# KiCad board SmartCubePanel.kicad_pcb (continued)
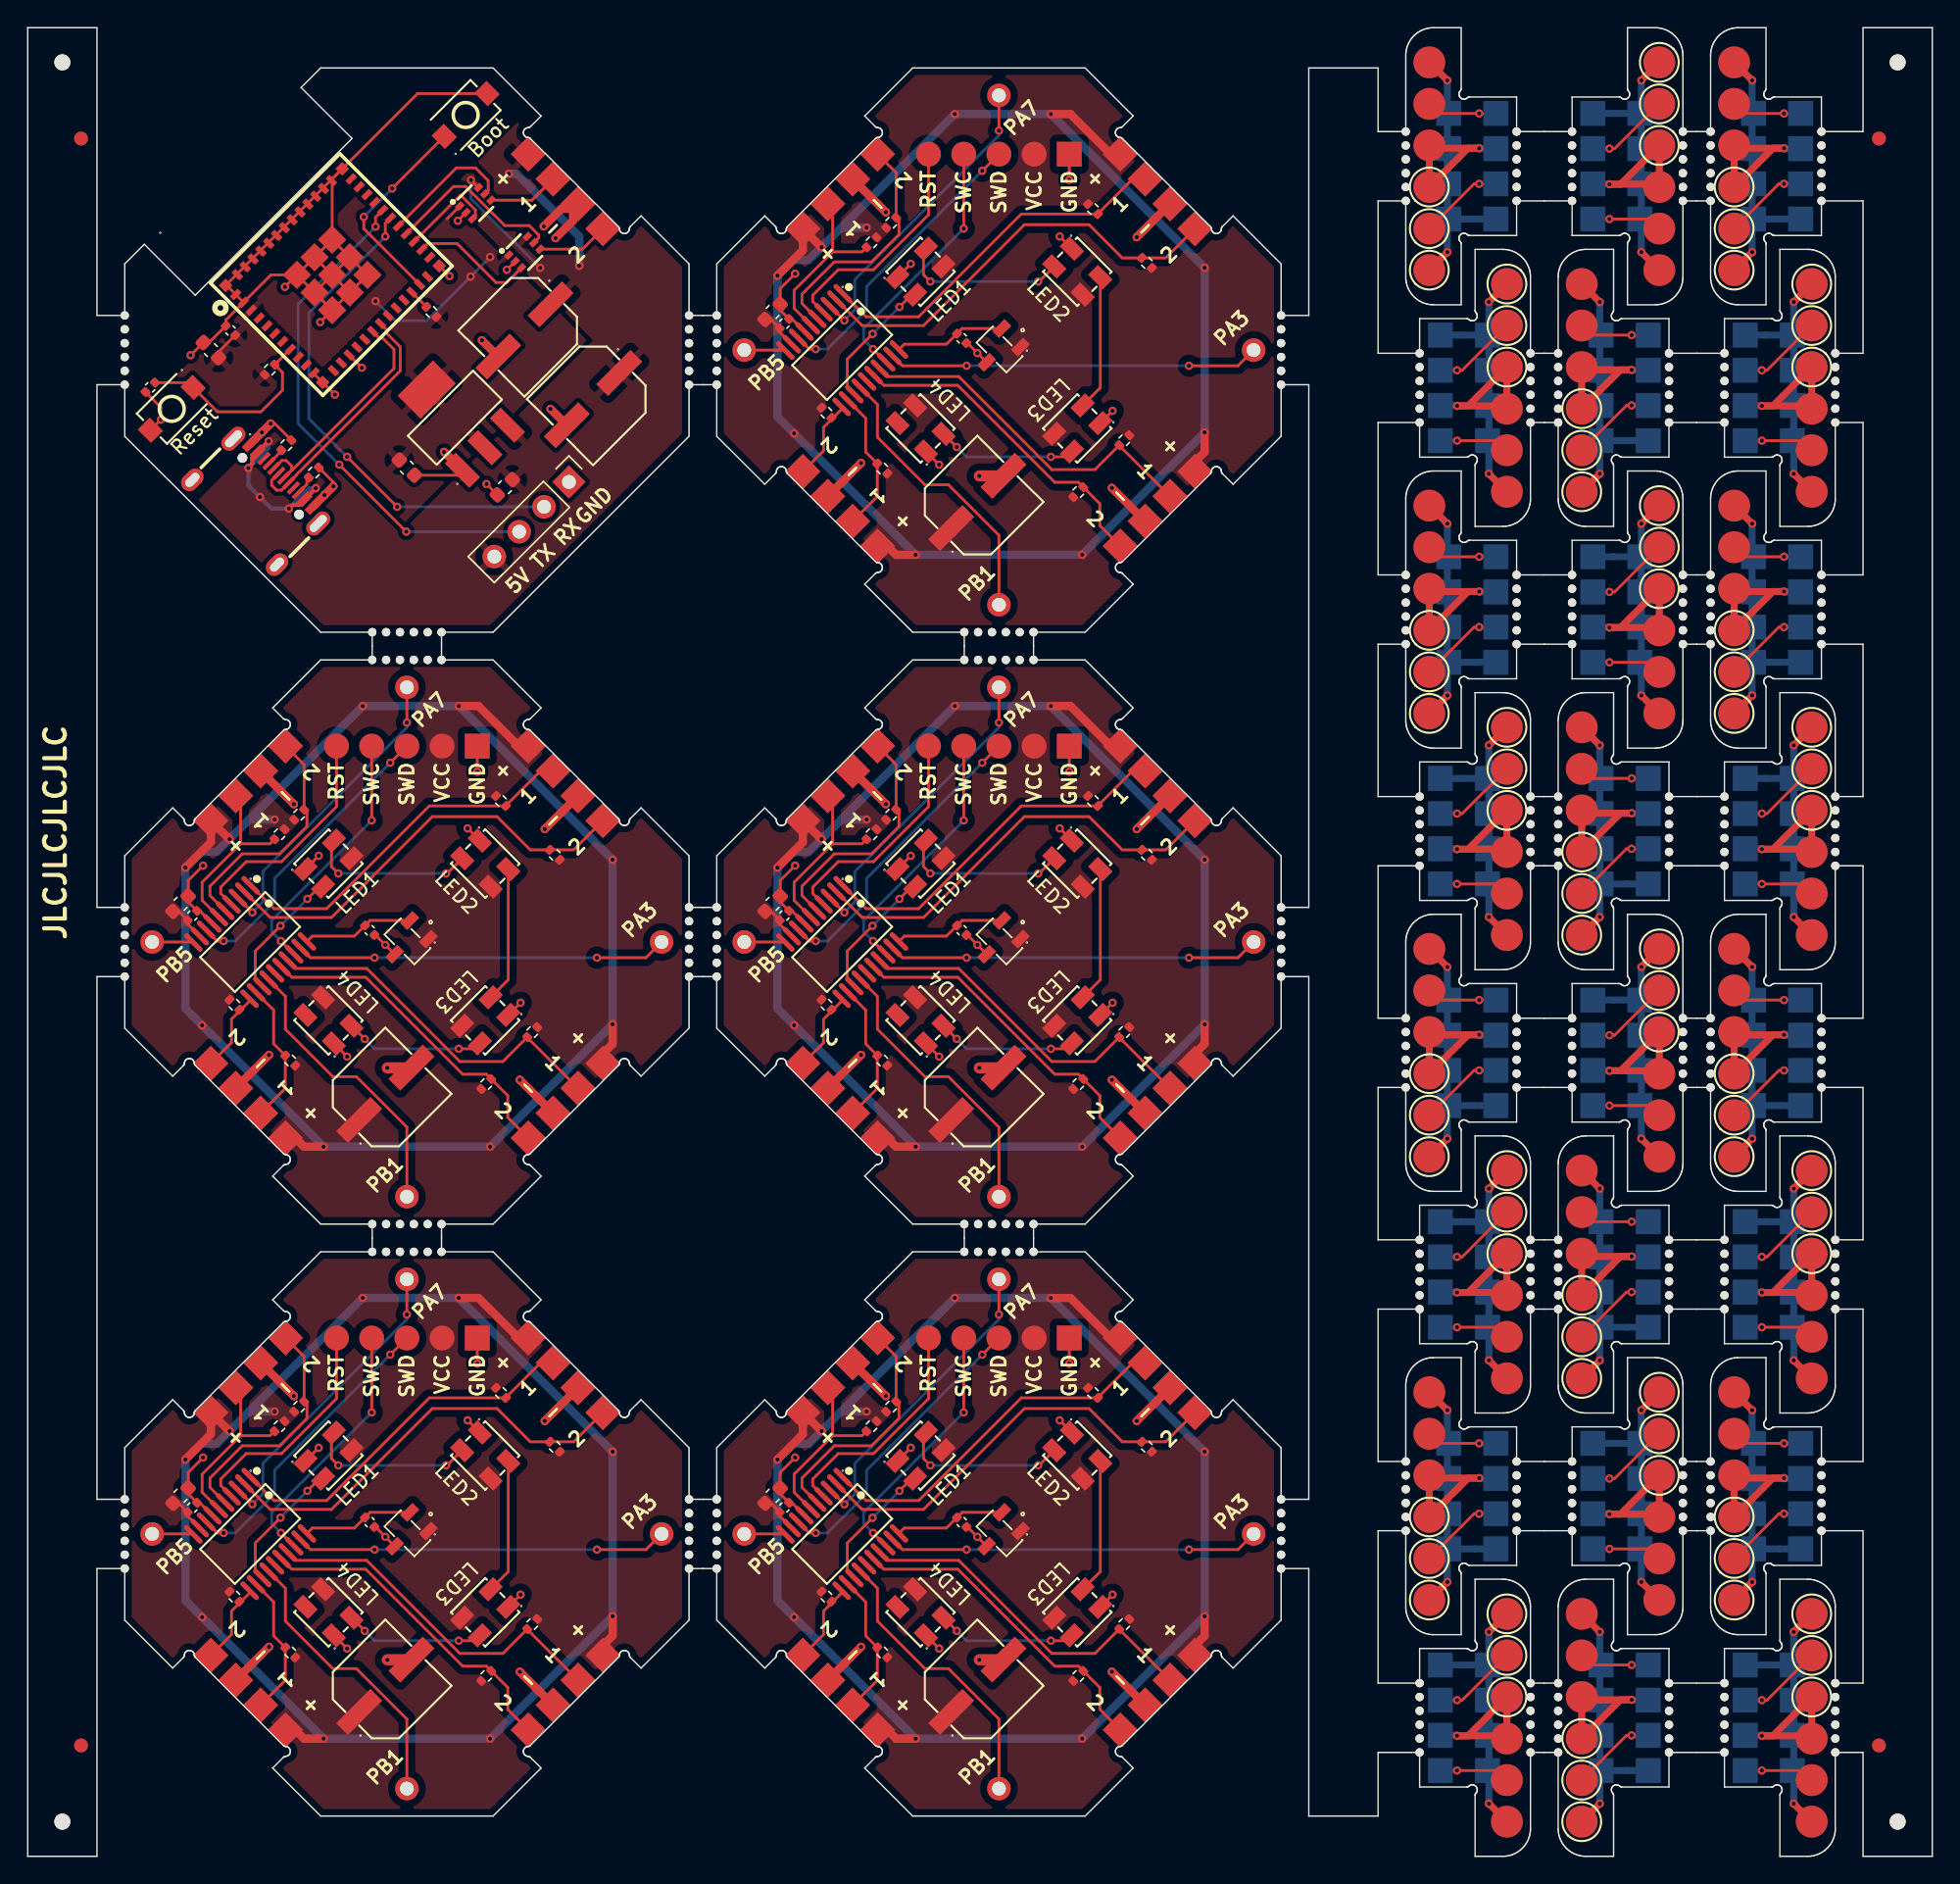
[diagram p0: board, top side]
## Routing (per net, layer and track width the routed paths; a pad name or vN(x,y) marks a point on that pad's centre or on a via; arc(x,y) is an arc through that point) (continued)
Board_3-/DataBottom1: length 26.2
  Top w0.2: M_3_PinHeaderBottom1.2 78.79,101.83 M_3_R6.2 77.02,100.1 73.91,100.1 67.2,106.82 62.07,106.82 M_3_U1.17
Board_3-/DataBottom2: length 23.9
  Top w0.2: M_3_PinHeaderBottom1.4 77.38,96.06 77.38,97.64 M_3_R5.2 75.84,99.18 74.13,99.18 67.12,106.18 61.79,106.18 M_3_U1.16
Board_3-/DataLeft1: length 10.3
  Top w0.2: M_3_U1.12 60.48,103.81 60.48,101.38 M_3_R8.2 61.32,98.16 M_3_PinHeaderLeft1.2
Board_3-/DataLeft2: length 5.8
  Top w0.2: M_3_PinHeaderLeft1.4 57.44,101.46 57.44,103.16 58.74,104.46 M_3_U1.11
Board_3-/DataRight1: length 26.7
  Top w0.2: M_3_PinHeaderRight1.2 79.75,121.08 77.22,118.55 71.71,118.55 64.3,111.13 60.51,111.13 M_3_U1.1
Board_3-/DataRight2: length 31.5
  Top w0.2: M_3_PinHeaderRight1.4 82.14,115.38 79,115.38 76.6,117.78 71.93,117.78 64.65,110.5 60.23,110.5 M_3_U1.2
Board_3-/DataTop1: length 13.1
  Top w0.2: M_3_R2.2 60.22,115.82 58.1,115.82 ; M_3_U1.6 55.32,111.73 55.32,113.04 58.1,115.82 ; M_3_PinHeaderTop1.2 58.1,118.93 58.1,115.82
Board_3-/DataTop2: length 17.5
  Top w0.2: M_3_U1.5 55.88,112.09 55.88,112.76 58.22,115.09 60.9,115.09 62.88,117.07 62.88,118.08 M_3_R1.2 62.68,121.53 M_3_PinHeaderTop1.4
Board_3-/HallAdc: length 8.1
  Top w0.2: M_3_U6.3 67.44,110.28 M_3_C3.2 66.3,109.15 63.27,109.15 M_3_U1.20
Board_3-/LedIn: length 9.6
  Top w0.2: v1(60.97,109.9) 59.15,108.08 59.15,106.06 M_3_U1.13 ; M_3_LED1.2 63.8,112.72 v1(62.92,111.84)
  Bottom w0.2: v1(62.92,111.84) v1(60.97,109.9)
Board_3-/Reset: length 16.7
  Top w0.2: M_3_U1.4 56.66,112.23 56.66,112.69 58.5,114.53 61.04,114.53 65.01,118.5 M_3_J1.5
Board_3-/ShieldBottomLeft: length 20.8
  Top w0.2: M_3_J3.1 70.09,95.36 66.45,99.01 64.76,99.01 61.33,102.44 61.33,104.8 M_3_U1.14
Board_3-/ShieldBottomRight: length 26.8
  Top w0.2: v1(83.81,107.6) 87.35,107.6 M_3_J5.1 ; M_3_U1.19 63.13,107.6 v1(67.76,107.6)
  Bottom w0.2: v1(83.81,107.6) v1(67.76,107.6)
Board_3-/ShieldTopLeft: length 3
  Top w0.2: M_3_U1.10 54.64,108.73 M_3_J2.1
Board_3-/ShieldTopRight: length 22.3
  Top w0.2: v1(70.09,124.57) M_3_J4.1 ; v1(58.94,110.87) M_3_U1.3
  Bottom w0.2: v1(58.94,110.87) 59.7,111.63 59.7,113.82 70.09,124.21 v1(70.09,124.57)
Board_3-/SWC: length 18.7
  Top w0.2: v1(61.01,108.8) M_3_U1.18 ; v1(67.55,117.5) M_3_J1.4
  Bottom w0.2: v1(61.01,108.8) 60.34,109.47 60.34,110.28 v1(67.55,117.5)
Board_3-/SWD: length 21.7
  Top w0.2: v1(68.89,121.67) M_3_J1.3 ; v1(56.87,108.8) 56.41,108.8 M_3_U1.8
  Bottom w0.2: v1(56.87,108.8) 57.72,108.8 60.55,111.63 60.55,113.33 v1(68.89,121.67)
Board_3-GND: length 29.9
  Top w0.2: M_3_U1.7 55.15,110.98 M_3_C2.1 54.31,111.62 M_3_C1.1 54.31,113.17 v1(55.39,114.24) ; M_3_LED2.1 v1(74.48,116.93) ; M_3_C3.1 67.82,109.24 v1(68.54,108.52) M_3_U6.2 ; v1(63.73,114.95) M_3_LED1.1 ; v1(75.17,121.02) M_3_J1.1 ; M_3_LED3.1 v1(78.3,104.34) ; M_3_LED4.1 v1(65.78,100.46)
  Top w0.6: M_3_PinHeaderTop1.3 61.93,118.69 v1(61.93,118.68) ; v1(78.25,98.78) M_3_PinHeaderBottom1.3 ; v1(60.15,100.58) M_3_PinHeaderLeft1.3 ; v1(80.04,116.88) M_3_PinHeaderRight1.3
  Top w0.8: M_3_C4.2 70.41,99.64 v1(68.68,99.64)
Board_3-Net-(LED1-DOUT): length 12
  Top w0.2: v1(72.92,113.68) 72.99,113.68 M_3_LED2.2 ; v1(65.14,113.68) 64.65,114.17 64.65,115.87 M_3_LED1.4
  Bottom w0.2: v1(72.92,113.68) v1(65.14,113.68)
Board_3-Net-(LED2-DOUT): length 9.8
  Top w0.2: M_3_LED2.4 77.41,106.01 M_3_LED3.2
Board_3-Net-(LED3-DOUT): length 10.1
  Top w0.2: v1(67.05,101.73) M_3_LED4.2 ; v1(73.84,101.02) 74.97,101.02 M_3_LED3.4
  Bottom w0.2: v1(67.05,101.73) 67.76,101.02 v1(73.84,101.02)
Board_4-+5V: length 123.4
  Top w0.2: M_4_C1.2 53.63,68.21 M_4_C2.2 54.27,67.29 M_4_U1.9
  Top w0.6: v1(84.94,60.06) 84.94,58.65 83.89,57.59 ; 78.5,79.8 75.26,83.03 v1(73.84,83.03) ; v1(54.11,71.37) 55.95,73.21 M_4_PinHeaderTop1.1 57.28,73.42 v1(57.3,73.42) ; 61.69,52.2 62.67,51.22 v1(64.08,51.22)
  Bottom w0.6: 58.71,74.84 v1(57.3,73.42) 56.38,72.51 55.25,72.51 v1(54.11,71.37) 54.11,61.19 v1(55.32,59.99) v1(64.08,51.22) v1(76.11,51.22) v1(84.94,60.06) v1(84.94,71.94) 84.94,71.94 v1(73.84,83.03) v1(66.91,83.03) 66.91,83.03 58.71,74.84 ; 58.71,74.84 v1(60.55,74.84)
Board_4-/DataBottom1: length 26.2
  Top w0.2: M_4_U1.17 62.07,64.09 67.2,64.09 73.91,57.37 77.02,57.37 M_4_R6.2 78.79,59.11 M_4_PinHeaderBottom1.2
Board_4-/DataBottom2: length 23.9
  Top w0.2: M_4_U1.16 61.79,63.45 67.12,63.45 74.13,56.45 75.84,56.45 M_4_R5.2 77.38,54.91 77.38,53.33 M_4_PinHeaderBottom1.4
Board_4-/DataLeft1: length 10.3
  Top w0.2: M_4_PinHeaderLeft1.2 61.32,55.43 M_4_R8.2 60.48,58.65 60.48,61.09 M_4_U1.12
Board_4-/DataLeft2: length 5.8
  Top w0.2: M_4_PinHeaderLeft1.4 57.44,58.73 57.44,60.43 58.74,61.73 M_4_U1.11
Board_4-/DataRight1: length 26.7
  Top w0.2: M_4_U1.1 60.51,68.4 64.3,68.4 71.71,75.82 77.22,75.82 79.75,78.35 M_4_PinHeaderRight1.2
Board_4-/DataRight2: length 31.5
  Top w0.2: M_4_U1.2 60.23,67.77 64.65,67.77 71.93,75.05 76.6,75.05 79,72.65 82.14,72.65 M_4_PinHeaderRight1.4
Board_4-/DataTop1: length 13.1
  Top w0.2: M_4_R2.2 60.22,73.09 58.1,73.09 ; 58.1,73.09 55.32,70.31 55.32,69.01 M_4_U1.6 ; 58.1,73.09 58.1,76.2 M_4_PinHeaderTop1.2
Board_4-/DataTop2: length 17.5
  Top w0.2: M_4_PinHeaderTop1.4 62.68,78.81 M_4_R1.2 62.88,75.35 62.88,74.34 60.9,72.36 58.22,72.36 55.88,70.03 55.88,69.36 M_4_U1.5
Board_4-/HallAdc: length 8.1
  Top w0.2: M_4_U6.3 67.44,67.56 M_4_C3.2 66.3,66.42 63.27,66.42 M_4_U1.20
Board_4-/LedIn: length 9.6
  Top w0.2: v1(62.92,69.11) 63.8,70 M_4_LED1.2 ; v1(60.97,67.17) 59.15,65.35 59.15,63.33 M_4_U1.13
  Bottom w0.2: v1(62.92,69.11) v1(60.97,67.17)
Board_4-/Reset: length 16.7
  Top w0.2: M_4_J1.5 65.01,75.77 61.04,71.8 58.5,71.8 56.66,69.96 56.66,69.5 M_4_U1.4
Board_4-/ShieldBottomLeft: length 20.8
  Top w0.2: M_4_J3.1 70.09,52.64 66.45,56.28 64.76,56.28 61.33,59.71 61.33,62.08 M_4_U1.14
Board_4-/ShieldBottomRight: length 26.8
  Top w0.2: v1(83.81,64.87) 87.35,64.87 M_4_J5.1 ; v1(67.76,64.87) 63.13,64.87 M_4_U1.19
  Bottom w0.2: v1(83.81,64.87) v1(67.76,64.87)
Board_4-/ShieldTopLeft: length 3
  Top w0.2: M_4_U1.10 54.64,66 M_4_J2.1
Board_4-/ShieldTopRight: length 22.3
  Top w0.2: v1(58.94,68.14) M_4_U1.3 ; v1(70.09,81.84) M_4_J4.1
  Bottom w0.2: v1(70.09,81.84) 70.09,81.49 59.7,71.09 59.7,68.9 v1(58.94,68.14)
Board_4-/SWC: length 18.7
  Top w0.2: v1(61.01,66.07) M_4_U1.18 ; v1(67.55,74.77) M_4_J1.4
  Bottom w0.2: v1(67.55,74.77) 60.34,67.56 60.34,66.74 v1(61.01,66.07)
Board_4-/SWD: length 21.7
  Top w0.2: M_4_U1.8 56.41,66.07 v1(56.87,66.07) ; v1(68.89,78.94) M_4_J1.3
  Bottom w0.2: v1(56.87,66.07) 57.72,66.07 60.55,68.9 60.55,70.6 v1(68.89,78.94)
Board_4-GND: length 29.9
  Top w0.2: M_4_C3.1 67.82,66.51 v1(68.54,65.79) M_4_U6.2 ; v1(75.17,78.29) M_4_J1.1 ; v1(55.39,71.52) 54.31,70.44 M_4_C1.1 54.31,68.89 M_4_C2.1 55.15,68.25 M_4_U1.7 ; v1(63.73,72.22) M_4_LED1.1 ; M_4_LED2.1 v1(74.48,74.2) ; M_4_LED3.1 v1(78.3,61.62) ; M_4_LED4.1 v1(65.78,57.73)
  Top w0.6: M_4_PinHeaderTop1.3 61.93,75.96 v1(61.93,75.96) ; v1(60.15,57.85) M_4_PinHeaderLeft1.3 ; v1(80.04,74.15) M_4_PinHeaderRight1.3 ; v1(78.25,56.05) M_4_PinHeaderBottom1.3
  Top w0.8: M_4_C4.2 70.41,56.91 v1(68.68,56.91)
Board_4-Net-(LED1-DOUT): length 12
  Top w0.2: v1(65.14,70.95) 64.65,71.44 64.65,73.14 M_4_LED1.4 ; M_4_LED2.2 72.99,70.95 v1(72.92,70.95)
  Bottom w0.2: v1(72.92,70.95) v1(65.14,70.95)
Board_4-Net-(LED2-DOUT): length 9.8
  Top w0.2: M_4_LED3.2 77.41,63.28 M_4_LED2.4
Board_4-Net-(LED3-DOUT): length 10.1
  Top w0.2: v1(67.05,59) M_4_LED4.2 ; v1(73.84,58.29) 74.97,58.29 M_4_LED3.4
  Bottom w0.2: v1(67.05,59) 67.76,58.29 v1(73.84,58.29)
Board_5-+5V: length 123.4
  Top w0.2: M_5_U1.9 54.27,24.56 M_5_C2.2 53.63,25.48 M_5_C1.2
  Top w0.6: v1(64.08,8.49) 62.67,8.49 61.69,9.48 ; 78.5,37.07 75.26,40.31 v1(73.84,40.31) ; v1(54.11,28.65) 55.95,30.48 M_5_PinHeaderTop1.1 57.28,30.7 v1(57.3,30.7) ; 83.89,14.86 84.94,15.92 v1(84.94,17.33)
  Bottom w0.6: 58.71,32.11 v1(60.55,32.11) ; 58.71,32.11 v1(57.3,30.7) 56.38,29.78 55.25,29.78 v1(54.11,28.65) 54.11,18.46 v1(55.32,17.26) v1(64.08,8.49) v1(76.11,8.49) v1(84.94,17.33) v1(84.94,29.21) 84.94,29.21 v1(73.84,40.31) v1(66.91,40.31) 66.91,40.31 58.71,32.11
Board_5-/DataBottom1: length 26.2
  Top w0.2: M_5_U1.17 62.07,21.36 67.2,21.36 73.91,14.64 77.02,14.64 M_5_R6.2 78.79,16.38 M_5_PinHeaderBottom1.2
Board_5-/DataBottom2: length 23.9
  Top w0.2: M_5_U1.16 61.79,20.73 67.12,20.73 74.13,13.73 75.84,13.73 M_5_R5.2 77.38,12.18 77.38,10.6 M_5_PinHeaderBottom1.4
Board_5-/DataLeft1: length 10.3
  Top w0.2: M_5_U1.12 60.48,18.36 60.48,15.92 M_5_R8.2 61.32,12.7 M_5_PinHeaderLeft1.2
Board_5-/DataLeft2: length 5.8
  Top w0.2: M_5_U1.11 58.74,19 57.44,17.7 57.44,16 M_5_PinHeaderLeft1.4
Board_5-/DataRight1: length 26.7
  Top w0.2: M_5_U1.1 60.51,25.68 64.3,25.68 71.71,33.09 77.22,33.09 79.75,35.62 M_5_PinHeaderRight1.2
Board_5-/DataRight2: length 31.5
  Top w0.2: M_5_PinHeaderRight1.4 82.14,29.92 79,29.92 76.6,32.32 71.93,32.32 64.65,25.04 60.23,25.04 M_5_U1.2
Board_5-/DataTop1: length 13.1
  Top w0.2: M_5_PinHeaderTop1.2 58.1,33.47 58.1,30.36 ; 58.1,30.36 55.32,27.58 55.32,26.28 M_5_U1.6 ; 58.1,30.36 60.22,30.36 M_5_R2.2
Board_5-/DataTop2: length 17.5
  Top w0.2: M_5_PinHeaderTop1.4 62.68,36.08 M_5_R1.2 62.88,32.62 62.88,31.61 60.9,29.63 58.22,29.63 55.88,27.3 55.88,26.63 M_5_U1.5
Board_5-/HallAdc: length 8.1
  Top w0.2: M_5_U6.3 67.44,24.83 M_5_C3.2 66.3,23.7 63.27,23.7 M_5_U1.20
Board_5-/LedIn: length 9.6
  Top w0.2: M_5_LED1.2 63.8,27.27 v1(62.92,26.38) ; M_5_U1.13 59.15,20.6 59.15,22.62 v1(60.97,24.44)
  Bottom w0.2: v1(62.92,26.38) v1(60.97,24.44)
Board_5-/Reset: length 16.7
  Top w0.2: M_5_J1.5 65.01,33.04 61.04,29.07 58.5,29.07 56.66,27.23 56.66,26.77 M_5_U1.4
Board_5-/ShieldBottomLeft: length 20.8
  Top w0.2: M_5_J3.1 70.09,9.91 66.45,13.55 64.76,13.55 61.33,16.98 61.33,19.35 M_5_U1.14
Board_5-/ShieldBottomRight: length 26.8
  Top w0.2: M_5_U1.19 63.13,22.14 v1(67.76,22.14) ; M_5_J5.1 87.35,22.14 v1(83.81,22.14)
  Bottom w0.2: v1(83.81,22.14) v1(67.76,22.14)
Board_5-/ShieldTopLeft: length 3
  Top w0.2: M_5_U1.10 54.64,23.27 M_5_J2.1
Board_5-/ShieldTopRight: length 22.3
  Top w0.2: v1(58.94,25.41) M_5_U1.3 ; v1(70.09,39.11) M_5_J4.1
  Bottom w0.2: v1(70.09,39.11) 70.09,38.76 59.7,28.36 59.7,26.17 v1(58.94,25.41)
Board_5-/SWC: length 18.7
  Top w0.2: v1(61.01,23.34) M_5_U1.18 ; v1(67.55,32.04) M_5_J1.4
  Bottom w0.2: v1(61.01,23.34) 60.34,24.01 60.34,24.83 v1(67.55,32.04)
Board_5-/SWD: length 21.7
  Top w0.2: M_5_U1.8 56.41,23.34 v1(56.87,23.34) ; v1(68.89,36.21) M_5_J1.3
  Bottom w0.2: v1(68.89,36.21) 60.55,27.87 60.55,26.17 57.72,23.34 v1(56.87,23.34)
Board_5-GND: length 29.9
  Top w0.2: v1(75.17,35.56) M_5_J1.1 ; M_5_LED4.1 v1(65.78,15) ; v1(63.73,29.49) M_5_LED1.1 ; M_5_U1.7 55.15,25.52 M_5_C2.1 54.31,26.16 M_5_C1.1 54.31,27.71 v1(55.39,28.79) ; M_5_LED3.1 v1(78.3,18.89) ; M_5_U6.2 v1(68.54,23.06) 67.82,23.78 M_5_C3.1 ; M_5_LED2.1 v1(74.48,31.47)
  Top w0.6: v1(60.15,15.12) M_5_PinHeaderLeft1.3 ; M_5_PinHeaderTop1.3 61.93,33.23 v1(61.93,33.23) ; v1(80.04,31.42) M_5_PinHeaderRight1.3 ; v1(78.25,13.32) M_5_PinHeaderBottom1.3
  Top w0.8: v1(68.68,14.18) 70.41,14.18 M_5_C4.2
Board_5-Net-(LED1-DOUT): length 12
  Top w0.2: M_5_LED1.4 64.65,30.41 64.65,28.72 v1(65.14,28.22) ; M_5_LED2.2 72.99,28.22 v1(72.92,28.22)
  Bottom w0.2: v1(72.92,28.22) v1(65.14,28.22)
Board_5-Net-(LED2-DOUT): length 9.8
  Top w0.2: M_5_LED3.2 77.41,20.55 M_5_LED2.4
Board_5-Net-(LED3-DOUT): length 10.1
  Top w0.2: M_5_LED3.4 74.97,15.56 v1(73.84,15.56) ; v1(67.05,16.27) M_5_LED4.2
  Bottom w0.2: v1(73.84,15.56) 67.76,15.56 v1(67.05,16.27)
Board_6-+5V: length 19.4
  Top w0.5: v1(102.46,128.2) POGO_6_J4.1 ; v1(102.46,115.8) POGO_6_U1.1
  Bottom w0.5: 103.25,118.19 POGO_6_J2.1 ; 103.25,118.19 102.46,118.98 v1(102.46,128.2) ; 103.25,118.19 102.46,117.4 v1(102.46,115.8)
Board_6-/Data1: length 6.1
  Top w0.2: POGO_6_U2.1 104.39,120.73 v1(104.76,120.73)
  Bottom w0.2: POGO_6_J2.2 v1(104.76,120.73)
Board_6-/Data2: length 5.1
  Top w0.2: v1(104.76,125.81) 101.85,125.81 POGO_6_J3.1
  Bottom w0.2: POGO_6_J2.4 v1(104.76,125.81)
Board_6-GND: length 12.7
  Top w0.5: 103.96,123.3 v1(104.76,123.3) 101.36,123.3 POGO_6_J1.1 POGO_6_U3.1 103.96,123.3
  Bottom w0.5: POGO_6_J2.3 104.79,123.27 v1(104.76,123.3)
Board_7-+5V: length 19.4
  Top w0.5: v1(105.46,112.2) POGO_7_U1.1 ; v1(105.46,99.8) POGO_7_J4.1
  Bottom w0.5: 104.67,109.81 POGO_7_J2.1 ; 104.67,109.81 105.46,109.02 v1(105.46,99.8) ; 104.67,109.81 105.46,110.6 v1(105.46,112.2)
Board_7-/Data1: length 6.1
  Top w0.2: v1(103.16,107.27) 103.53,107.27 POGO_7_U2.1
  Bottom w0.2: POGO_7_J2.2 v1(103.16,107.27)
Board_7-/Data2: length 5.1
  Top w0.2: v1(103.16,102.19) 106.07,102.19 POGO_7_J3.1
  Bottom w0.2: POGO_7_J2.4 v1(103.16,102.19)
Board_7-GND: length 12.7
  Top w0.5: POGO_7_U3.1 103.96,104.7 v1(103.16,104.7) 106.56,104.7 POGO_7_J1.1 POGO_7_U3.1
  Bottom w0.5: v1(103.16,104.7) 103.13,104.73 POGO_7_J2.3
Board_8-+5V: length 19.4
  Top w0.5: v1(102.46,83.8) POGO_8_U1.1 ; v1(102.46,96.2) POGO_8_J4.1
  Bottom w0.5: v1(102.46,83.8) 102.46,85.4 103.25,86.19 ; 103.25,86.19 POGO_8_J2.1 ; 103.25,86.19 102.46,86.98 v1(102.46,96.2)
Board_8-/Data1: length 6.1
  Top w0.2: v1(104.76,88.73) 104.39,88.73 POGO_8_U2.1
  Bottom w0.2: POGO_8_J2.2 v1(104.76,88.73)
Board_8-/Data2: length 5.1
  Top w0.2: v1(104.76,93.81) 101.85,93.81 POGO_8_J3.1
  Bottom w0.2: POGO_8_J2.4 v1(104.76,93.81)
Board_8-GND: length 12.7
  Top w0.5: 101.36,91.3 POGO_8_J1.1 POGO_8_U3.1 103.96,91.3 v1(104.76,91.3) 101.36,91.3
  Bottom w0.5: POGO_8_J2.3 104.79,91.27 v1(104.76,91.3)
Board_9-+5V: length 19.4
  Top w0.5: v1(105.46,80.2) POGO_9_U1.1 ; v1(105.46,67.8) POGO_9_J4.1
  Bottom w0.5: 104.67,77.81 POGO_9_J2.1 ; 104.67,77.81 105.46,77.02 v1(105.46,67.8) ; 104.67,77.81 105.46,78.6 v1(105.46,80.2)
Board_9-/Data1: length 6.1
  Top w0.2: v1(103.16,75.27) 103.53,75.27 POGO_9_U2.1
  Bottom w0.2: POGO_9_J2.2 v1(103.16,75.27)
Board_9-/Data2: length 5.1
  Top w0.2: POGO_9_J3.1 106.07,70.19 v1(103.16,70.19)
  Bottom w0.2: POGO_9_J2.4 v1(103.16,70.19)
Board_9-GND: length 12.7
  Top w0.5: v1(103.16,72.7) 106.56,72.7 POGO_9_J1.1 POGO_9_U3.1 103.96,72.7 v1(103.16,72.7)
  Bottom w0.5: POGO_9_J2.3 103.13,72.73 v1(103.16,72.7)
Board_10-+5V: length 19.4
  Top w0.5: v1(102.46,64.2) POGO_10_J4.1 ; v1(102.46,51.8) POGO_10_U1.1
  Bottom w0.5: 103.25,54.19 POGO_10_J2.1 ; 103.25,54.19 102.46,53.4 v1(102.46,51.8) ; 103.25,54.19 102.46,54.98 v1(102.46,64.2)
Board_10-/Data1: length 6.1
  Top w0.2: POGO_10_U2.1 104.39,56.73 v1(104.76,56.73)
  Bottom w0.2: POGO_10_J2.2 v1(104.76,56.73)
Board_10-/Data2: length 5.1
  Top w0.2: POGO_10_J3.1 101.85,61.81 v1(104.76,61.81)
  Bottom w0.2: POGO_10_J2.4 v1(104.76,61.81)
Board_10-GND: length 12.7
  Top w0.5: POGO_10_U3.1 103.96,59.3 v1(104.76,59.3) 101.36,59.3 POGO_10_J1.1 POGO_10_U3.1
  Bottom w0.5: v1(104.76,59.3) 104.79,59.27 POGO_10_J2.3
Board_11-+5V: length 19.4
  Top w0.5: v1(105.46,48.2) POGO_11_U1.1 ; v1(105.46,35.8) POGO_11_J4.1
  Bottom w0.5: 104.67,45.81 105.46,46.6 v1(105.46,48.2) ; 104.67,45.81 POGO_11_J2.1 ; 104.67,45.81 105.46,45.02 v1(105.46,35.8)
Board_11-/Data1: length 6.1
  Top w0.2: v1(103.16,43.27) 103.53,43.27 POGO_11_U2.1
  Bottom w0.2: POGO_11_J2.2 v1(103.16,43.27)
Board_11-/Data2: length 5.1
  Top w0.2: v1(103.16,38.19) 106.07,38.19 POGO_11_J3.1
  Bottom w0.2: POGO_11_J2.4 v1(103.16,38.19)
Board_11-GND: length 12.7
  Top w0.5: POGO_11_U3.1 103.96,40.7 v1(103.16,40.7) 106.56,40.7 POGO_11_J1.1 POGO_11_U3.1
  Bottom w0.5: v1(103.16,40.7) 103.13,40.73 POGO_11_J2.3
Board_12-+5V: length 19.4
  Top w0.5: v1(102.46,32.2) POGO_12_J4.1 ; v1(102.46,19.8) POGO_12_U1.1
  Bottom w0.5: POGO_12_J2.1 103.25,22.19 ; 103.25,22.19 102.46,22.98 v1(102.46,32.2) ; 103.25,22.19 102.46,21.4 v1(102.46,19.8)
Board_12-/Data1: length 6.1
  Top w0.2: v1(104.76,24.73) 104.39,24.73 POGO_12_U2.1
  Bottom w0.2: POGO_12_J2.2 v1(104.76,24.73)
Board_12-/Data2: length 5.1
  Top w0.2: POGO_12_J3.1 101.85,29.81 v1(104.76,29.81)
  Bottom w0.2: POGO_12_J2.4 v1(104.76,29.81)
Board_12-GND: length 12.7
  Top w0.5: 101.36,27.3 POGO_12_J1.1 POGO_12_U3.1 103.96,27.3 v1(104.76,27.3) 101.36,27.3
  Bottom w0.5: POGO_12_J2.3 104.79,27.27 v1(104.76,27.3)
Board_13-+5V: length 19.4
  Top w0.5: v1(105.46,3.8) POGO_13_J4.1 ; v1(105.46,16.2) POGO_13_U1.1
  Bottom w0.5: 104.67,13.81 POGO_13_J2.1 ; 104.67,13.81 105.46,14.6 v1(105.46,16.2) ; 104.67,13.81 105.46,13.02 v1(105.46,3.8)
Board_13-/Data1: length 6.1
  Top w0.2: POGO_13_U2.1 103.53,11.27 v1(103.16,11.27)
  Bottom w0.2: POGO_13_J2.2 v1(103.16,11.27)
Board_13-/Data2: length 5.1
  Top w0.2: POGO_13_J3.1 106.07,6.19 v1(103.16,6.19)
  Bottom w0.2: POGO_13_J2.4 v1(103.16,6.19)
Board_13-GND: length 12.7
  Top w0.5: POGO_13_U3.1 103.96,8.7 v1(103.16,8.7) 106.56,8.7 POGO_13_J1.1 POGO_13_U3.1
  Bottom w0.5: POGO_13_J2.3 103.13,8.73 v1(103.16,8.7)
Board_14-+5V: length 19.4
  Top w0.5: v1(116.46,128.2) POGO_14_U1.1 ; v1(116.46,115.8) POGO_14_J4.1
  Bottom w0.5: 115.67,125.81 116.46,125.02 v1(116.46,115.8) ; 115.67,125.81 116.46,126.6 v1(116.46,128.2) ; 115.67,125.81 POGO_14_J2.1
Board_14-/Data1: length 6.1
  Top w0.2: v1(114.16,123.27) 114.53,123.27 POGO_14_U2.1
  Bottom w0.2: POGO_14_J2.2 v1(114.16,123.27)
Board_14-/Data2: length 5.1
  Top w0.2: POGO_14_J3.1 117.07,118.19 v1(114.16,118.19)
  Bottom w0.2: POGO_14_J2.4 v1(114.16,118.19)
Board_14-GND: length 12.7
  Top w0.5: POGO_14_U3.1 POGO_14_J1.1 117.56,120.7 v1(114.16,120.7) 114.96,120.7 POGO_14_U3.1
  Bottom w0.5: v1(114.16,120.7) 114.13,120.73 POGO_14_J2.3
Board_15-+5V: length 19.4
  Top w0.5: v1(113.46,99.8) POGO_15_U1.1 ; v1(113.46,112.2) POGO_15_J4.1
  Bottom w0.5: 114.25,102.19 POGO_15_J2.1 ; 114.25,102.19 113.46,102.98 v1(113.46,112.2) ; 114.25,102.19 113.46,101.4 v1(113.46,99.8)
Board_15-/Data1: length 6.1
  Top w0.2: POGO_15_U2.1 115.39,104.73 v1(115.76,104.73)
  Bottom w0.2: POGO_15_J2.2 v1(115.76,104.73)
Board_15-/Data2: length 5.1
  Top w0.2: v1(115.76,109.81) 112.85,109.81 POGO_15_J3.1
  Bottom w0.2: POGO_15_J2.4 v1(115.76,109.81)
Board_15-GND: length 12.7
  Top w0.5: 114.96,107.3 v1(115.76,107.3) 112.36,107.3 POGO_15_J1.1 POGO_15_U3.1 114.96,107.3
  Bottom w0.5: POGO_15_J2.3 115.79,107.27 v1(115.76,107.3)
Board_16-+5V: length 19.4
  Top w0.5: v1(116.46,96.2) POGO_16_U1.1 ; v1(116.46,83.8) POGO_16_J4.1
  Bottom w0.5: v1(116.46,83.8) 116.46,93.02 115.67,93.81 ; 115.67,93.81 POGO_16_J2.1 ; 115.67,93.81 116.46,94.6 v1(116.46,96.2)
Board_16-/Data1: length 6.1
  Top w0.2: POGO_16_U2.1 114.53,91.27 v1(114.16,91.27)
  Bottom w0.2: POGO_16_J2.2 v1(114.16,91.27)
Board_16-/Data2: length 5.1
  Top w0.2: v1(114.16,86.19) 117.07,86.19 POGO_16_J3.1
  Bottom w0.2: POGO_16_J2.4 v1(114.16,86.19)
Board_16-GND: length 12.7
  Top w0.5: 114.96,88.7 v1(114.16,88.7) 117.56,88.7 POGO_16_J1.1 POGO_16_U3.1 114.96,88.7
  Bottom w0.5: v1(114.16,88.7) 114.13,88.73 POGO_16_J2.3
Board_17-+5V: length 19.4
  Top w0.5: v1(113.46,67.8) POGO_17_U1.1 ; v1(113.46,80.2) POGO_17_J4.1
  Bottom w0.5: POGO_17_J2.1 114.25,70.19 ; v1(113.46,80.2) 113.46,70.98 114.25,70.19 ; 114.25,70.19 113.46,69.4 v1(113.46,67.8)
Board_17-/Data1: length 6.1
  Top w0.2: POGO_17_U2.1 115.39,72.73 v1(115.76,72.73)
  Bottom w0.2: POGO_17_J2.2 v1(115.76,72.73)
Board_17-/Data2: length 5.1
  Top w0.2: POGO_17_J3.1 112.85,77.81 v1(115.76,77.81)
  Bottom w0.2: POGO_17_J2.4 v1(115.76,77.81)
Board_17-GND: length 12.7
  Top w0.5: 114.96,75.3 v1(115.76,75.3) 112.36,75.3 POGO_17_J1.1 POGO_17_U3.1 114.96,75.3
  Bottom w0.5: POGO_17_J2.3 115.79,75.27 v1(115.76,75.3)
Board_18-+5V: length 19.4
  Top w0.5: v1(116.46,51.8) POGO_18_J4.1 ; v1(116.46,64.2) POGO_18_U1.1
  Bottom w0.5: 115.67,61.81 116.46,61.02 v1(116.46,51.8) ; 115.67,61.81 116.46,62.6 v1(116.46,64.2) ; 115.67,61.81 POGO_18_J2.1
Board_18-/Data1: length 6.1
  Top w0.2: v1(114.16,59.27) 114.53,59.27 POGO_18_U2.1
  Bottom w0.2: POGO_18_J2.2 v1(114.16,59.27)
Board_18-/Data2: length 5.1
  Top w0.2: v1(114.16,54.19) 117.07,54.19 POGO_18_J3.1
  Bottom w0.2: POGO_18_J2.4 v1(114.16,54.19)
Board_18-GND: length 12.7
  Top w0.5: POGO_18_U3.1 114.96,56.7 v1(114.16,56.7) 117.56,56.7 POGO_18_J1.1 POGO_18_U3.1
  Bottom w0.5: v1(114.16,56.7) 114.13,56.73 POGO_18_J2.3
Board_19-+5V: length 19.4
  Top w0.5: v1(113.46,35.8) POGO_19_U1.1 ; v1(113.46,48.2) POGO_19_J4.1
  Bottom w0.5: v1(113.46,35.8) 113.46,37.4 114.25,38.19 ; v1(113.46,48.2) 113.46,38.98 114.25,38.19 ; 114.25,38.19 POGO_19_J2.1
Board_19-/Data1: length 6.1
  Top w0.2: POGO_19_U2.1 115.39,40.73 v1(115.76,40.73)
  Bottom w0.2: POGO_19_J2.2 v1(115.76,40.73)
Board_19-/Data2: length 5.1
  Top w0.2: v1(115.76,45.81) 112.85,45.81 POGO_19_J3.1
  Bottom w0.2: POGO_19_J2.4 v1(115.76,45.81)
Board_19-GND: length 12.7
  Top w0.5: v1(115.76,43.3) 112.36,43.3 POGO_19_J1.1 POGO_19_U3.1 114.96,43.3 v1(115.76,43.3)
  Bottom w0.5: POGO_19_J2.3 115.79,43.27 v1(115.76,43.3)
Board_20-+5V: length 19.4
  Top w0.5: v1(116.46,32.2) POGO_20_U1.1 ; v1(116.46,19.8) POGO_20_J4.1
  Bottom w0.5: 115.67,29.81 POGO_20_J2.1 ; 115.67,29.81 116.46,29.02 v1(116.46,19.8) ; 115.67,29.81 116.46,30.6 v1(116.46,32.2)
Board_20-/Data1: length 6.1
  Top w0.2: POGO_20_U2.1 114.53,27.27 v1(114.16,27.27)
  Bottom w0.2: POGO_20_J2.2 v1(114.16,27.27)
Board_20-/Data2: length 5.1
  Top w0.2: POGO_20_J3.1 117.07,22.19 v1(114.16,22.19)
  Bottom w0.2: POGO_20_J2.4 v1(114.16,22.19)
Board_20-GND: length 12.7
  Top w0.5: v1(114.16,24.7) 117.56,24.7 POGO_20_J1.1 POGO_20_U3.1 114.96,24.7 v1(114.16,24.7)
  Bottom w0.5: v1(114.16,24.7) 114.13,24.73 POGO_20_J2.3
Board_21-+5V: length 19.4
  Top w0.5: v1(113.46,16.2) POGO_21_J4.1 ; v1(113.46,3.8) POGO_21_U1.1
  Bottom w0.5: v1(113.46,16.2) 113.46,6.98 114.25,6.19 ; 114.25,6.19 113.46,5.4 v1(113.46,3.8) ; 114.25,6.19 POGO_21_J2.1
Board_21-/Data1: length 6.1
  Top w0.2: v1(115.76,8.73) 115.39,8.73 POGO_21_U2.1
  Bottom w0.2: POGO_21_J2.2 v1(115.76,8.73)
Board_21-/Data2: length 5.1
  Top w0.2: v1(115.76,13.81) 112.85,13.81 POGO_21_J3.1
  Bottom w0.2: POGO_21_J2.4 v1(115.76,13.81)
Board_21-GND: length 12.7
  Top w0.5: 114.96,11.3 v1(115.76,11.3) 112.36,11.3 POGO_21_J1.1 POGO_21_U3.1 114.96,11.3
  Bottom w0.5: POGO_21_J2.3 115.79,11.27 v1(115.76,11.3)
Board_22-+5V: length 19.4
  Top w0.5: v1(124.46,128.2) POGO_22_J4.1 ; v1(124.46,115.8) POGO_22_U1.1
  Bottom w0.5: v1(124.46,115.8) 124.46,117.4 125.25,118.19 ; 125.25,118.19 124.46,118.98 v1(124.46,128.2) ; 125.25,118.19 POGO_22_J2.1
Board_22-/Data1: length 6.1
  Top w0.2: POGO_22_U2.1 126.39,120.73 v1(126.76,120.73)
  Bottom w0.2: POGO_22_J2.2 v1(126.76,120.73)
Board_22-/Data2: length 5.1
  Top w0.2: POGO_22_J3.1 123.85,125.81 v1(126.76,125.81)
  Bottom w0.2: POGO_22_J2.4 v1(126.76,125.81)
Board_22-GND: length 12.7
  Top w0.5: POGO_22_U3.1 125.96,123.3 v1(126.76,123.3) 123.36,123.3 POGO_22_J1.1 POGO_22_U3.1
  Bottom w0.5: v1(126.76,123.3) 126.79,123.27 POGO_22_J2.3
Board_23-+5V: length 19.4
  Top w0.5: v1(127.46,112.2) POGO_23_U1.1 ; v1(127.46,99.8) POGO_23_J4.1
  Bottom w0.5: 126.67,109.81 127.46,110.6 v1(127.46,112.2) ; 126.67,109.81 POGO_23_J2.1 ; 126.67,109.81 127.46,109.02 v1(127.46,99.8)
Board_23-/Data1: length 6.1
  Top w0.2: v1(125.16,107.27) 125.53,107.27 POGO_23_U2.1
  Bottom w0.2: POGO_23_J2.2 v1(125.16,107.27)
Board_23-/Data2: length 5.1
  Top w0.2: POGO_23_J3.1 128.07,102.19 v1(125.16,102.19)
  Bottom w0.2: POGO_23_J2.4 v1(125.16,102.19)
Board_23-GND: length 12.7
  Top w0.5: v1(125.16,104.7) 128.56,104.7 POGO_23_J1.1 POGO_23_U3.1 125.96,104.7 v1(125.16,104.7)
  Bottom w0.5: v1(125.16,104.7) 125.13,104.73 POGO_23_J2.3
Board_24-+5V: length 19.4
  Top w0.5: v1(124.46,96.2) POGO_24_J4.1 ; v1(124.46,83.8) POGO_24_U1.1
  Bottom w0.5: POGO_24_J2.1 125.25,86.19 ; 125.25,86.19 124.46,86.98 v1(124.46,96.2) ; 125.25,86.19 124.46,85.4 v1(124.46,83.8)
Board_24-/Data1: length 6.1
  Top w0.2: POGO_24_U2.1 126.39,88.73 v1(126.76,88.73)
  Bottom w0.2: POGO_24_J2.2 v1(126.76,88.73)
Board_24-/Data2: length 5.1
  Top w0.2: POGO_24_J3.1 123.85,93.81 v1(126.76,93.81)
  Bottom w0.2: POGO_24_J2.4 v1(126.76,93.81)
Board_24-GND: length 12.7
  Top w0.5: POGO_24_U3.1 125.96,91.3 v1(126.76,91.3) 123.36,91.3 POGO_24_J1.1 POGO_24_U3.1
  Bottom w0.5: v1(126.76,91.3) 126.79,91.27 POGO_24_J2.3
Board_25-+5V: length 19.4
  Top w0.5: v1(127.46,67.8) POGO_25_J4.1 ; v1(127.46,80.2) POGO_25_U1.1
  Bottom w0.5: 126.67,77.81 127.46,78.6 v1(127.46,80.2) ; 126.67,77.81 127.46,77.02 v1(127.46,67.8) ; 126.67,77.81 POGO_25_J2.1
Board_25-/Data1: length 6.1
  Top w0.2: POGO_25_U2.1 125.53,75.27 v1(125.16,75.27)
  Bottom w0.2: POGO_25_J2.2 v1(125.16,75.27)
Board_25-/Data2: length 5.1
  Top w0.2: v1(125.16,70.19) 128.07,70.19 POGO_25_J3.1
  Bottom w0.2: POGO_25_J2.4 v1(125.16,70.19)
Board_25-GND: length 12.7
  Top w0.5: 128.56,72.7 POGO_25_J1.1 POGO_25_U3.1 125.96,72.7 v1(125.16,72.7) 128.56,72.7
  Bottom w0.5: v1(125.16,72.7) 125.13,72.73 POGO_25_J2.3
Board_26-+5V: length 19.4
  Top w0.5: v1(124.46,64.2) POGO_26_J4.1 ; v1(124.46,51.8) POGO_26_U1.1
  Bottom w0.5: 125.25,54.19 124.46,53.4 v1(124.46,51.8) ; 125.25,54.19 POGO_26_J2.1 ; 125.25,54.19 124.46,54.98 v1(124.46,64.2)
Board_26-/Data1: length 6.1
  Top w0.2: v1(126.76,56.73) 126.39,56.73 POGO_26_U2.1
  Bottom w0.2: POGO_26_J2.2 v1(126.76,56.73)
